# Altium PCB Cubli.PcbDoc (part 3 of 5) (continued)
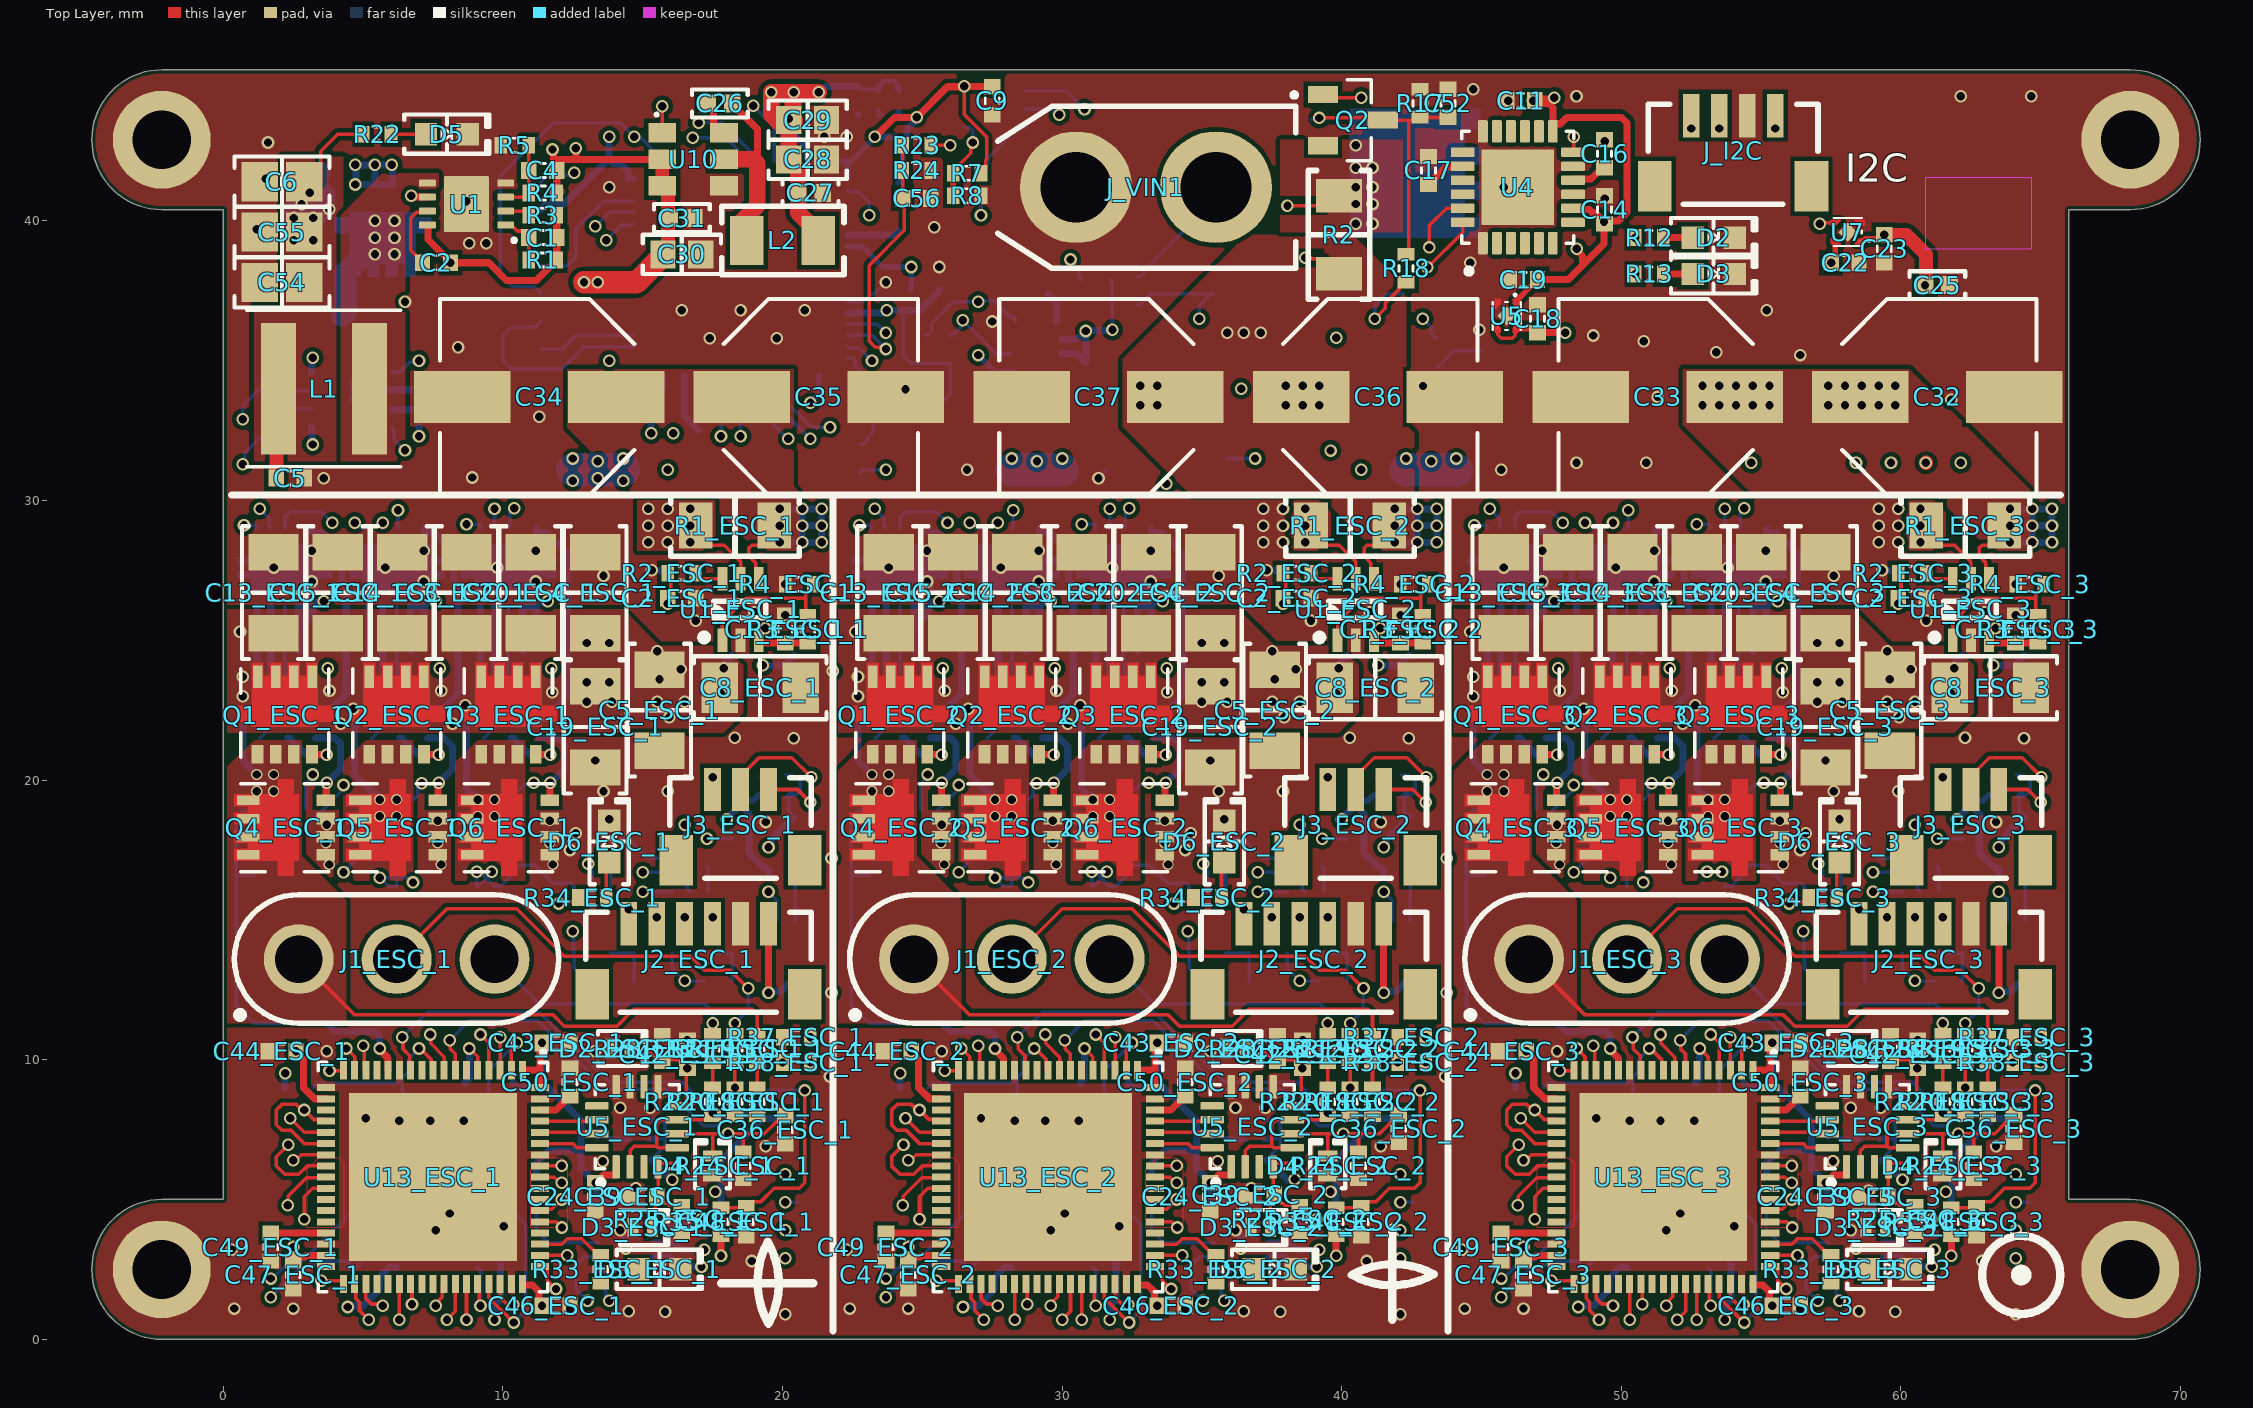
[diagram p0: Top Layer view]
## Nets (pads, with @x,y where several pads share a name; then routed paths per layer and width w, separated by ;. In a path a pad name is that pad's centre, name@x,y a point inside that pad or via, vN(x,y) a via of type N, cw(c..) or ccw(c..) an arc to the next point about the centre after c; other vN are vias at no path point) (continued)
CAN_S_3: U7_ESC_3.8 U13_ESC_3.2 | length 9.8
  Top Layer w0.127: U13_ESC_3.2@54.3,9.625 54.3,10.313 54.5,10.513 v1(54.5,10.6)
  Bottom Layer w0.127: U7_ESC_3.8@50.192,4.512 50.412,4.513 50.509,4.609 50.509,5.413 51.159,6.062 52.462,6.062 53.5,7.1 53.5,9.6 v1(54.5,10.6)
CAN_TX: U9.1 U11.48 | length 11
  Signal 1 w0.127: v1(7,35) 8.5,35 v1(13.3,39.8)
  Bottom Layer w0.127: U9.1@6.045,34.575 6.305,34.575 6.668,34.938 6.938,34.938 v1(7,35) ; v1(13.3,39.8) 13.8,40.3 U11.48@14.675,40.3
CAN_TX_1: U7_ESC_1.1 U13_ESC_1.48 | length 7.3
  Top Layer w0.127: U13_ESC_1.48@9.5,1.975 9.5,1.488 10.388,0.6 v1(10.394,0.6)
  Bottom Layer w0.127: U7_ESC_1.1@9.083,4.513 10.407,4.513 10.816,4.104 10.816,1.015 10.4,0.6 v1(10.394,0.6)
CAN_TX_2: U7_ESC_2.1 U13_ESC_2.48 | length 7.3
  Top Layer w0.127: U13_ESC_2.48@31.5,1.975 31.5,1.488 32.388,0.6 v1(32.394,0.6)
  Bottom Layer w0.127: U7_ESC_2.1@31.082,4.512 32.407,4.513 32.815,4.104 32.815,1.015 32.4,0.6 v1(32.394,0.6)
CAN_TX_3: U7_ESC_3.1 U13_ESC_3.48 | length 7.3
  Top Layer w0.127: U13_ESC_3.48@53.5,1.975 53.5,1.488 54.388,0.6 v1(54.394,0.6)
  Bottom Layer w0.127: U7_ESC_3.1@53.082,4.512 54.407,4.513 54.815,4.104 54.815,1.015 54.4,0.6 v1(54.394,0.6)
COMP_OUT_U_1: U5_ESC_1.15 U13_ESC_1.64 | length 2.1
  Top Layer w0.127: U13_ESC_1.64@11.325,7.4 13.315,7.4 U5_ESC_1.15@13.365,7.35
COMP_OUT_U_2: U5_ESC_2.15 U13_ESC_2.64 | length 2.1
  Top Layer w0.127: U13_ESC_2.64@33.325,7.4 35.315,7.4 U5_ESC_2.15@35.365,7.35
COMP_OUT_U_3: U5_ESC_3.15 U13_ESC_3.64 | length 2.1
  Top Layer w0.127: U13_ESC_3.64@55.325,7.4 57.315,7.4 U5_ESC_3.15@57.365,7.35
COMP_OUT_V_1: U5_ESC_1.16 U13_ESC_1.63 | length 2.1
  Top Layer w0.127: U13_ESC_1.63@11.325,7 12.5,7 12.65,6.85 U5_ESC_1.16@13.365,6.85
COMP_OUT_V_2: U5_ESC_2.16 U13_ESC_2.63 | length 2.1
  Top Layer w0.127: U13_ESC_2.63@33.325,7 34.5,7 34.65,6.85 U5_ESC_2.16@35.365,6.85
COMP_OUT_V_3: U5_ESC_3.16 U13_ESC_3.63 | length 2.1
  Top Layer w0.127: U13_ESC_3.63@55.325,7 56.5,7 56.65,6.85 U5_ESC_3.16@57.365,6.85
COMP_OUT_W_1: U5_ESC_1.14 U13_ESC_1.65 | length 2.1
  Top Layer w0.127: U13_ESC_1.65@11.325,7.8 13.315,7.8 U5_ESC_1.14@13.365,7.85
COMP_OUT_W_2: U5_ESC_2.14 U13_ESC_2.65 | length 2.1
  Top Layer w0.127: U13_ESC_2.65@33.325,7.8 35.315,7.8 U5_ESC_2.14@35.365,7.85
COMP_OUT_W_3: U5_ESC_3.14 U13_ESC_3.65 | length 2.1
  Top Layer w0.127: U13_ESC_3.65@55.325,7.8 57.315,7.8 U5_ESC_3.14@57.365,7.85
ENC.A_1: J2_ESC_1.4 U13_ESC_1.21 U13_ESC_1.23 | length 38.7
  Top Layer w0.127: U13_ESC_1.23@3.675,7 2.9,7 2.415,7.485 2.09,7.485 1.9,7.674 1.9,8.2 2.1,8.4 2.613,8.4 2.813,8.2 v1(2.9,8.2) 3.239,7.862 3.613,7.862 U13_ESC_1.21@3.675,7.8 ; J2_ESC_1.4@16.5,14.863 v1(16.5,15.1)
  Signal 1 w0.127: v1(2.9,8.2) 3.2,8.5 10.8,8.5 15.646,13.346 15.646,13.605 16.5,14.459 v1(16.5,15.1)
  Signal 2 w0.127: v1(2.9,8.2) 3.4,8.7 10.6,8.7 16.5,14.6 v1(16.5,15.1)
ENC.A_2: J2_ESC_2.4 U13_ESC_2.21 U13_ESC_2.23 | length 38.7
  Top Layer w0.127: U13_ESC_2.23@25.675,7 24.9,7 24.415,7.485 24.09,7.485 23.9,7.674 23.9,8.2 24.1,8.4 24.613,8.4 24.813,8.2 v1(24.9,8.2) 25.238,7.862 25.613,7.862 U13_ESC_2.21@25.675,7.8 ; J2_ESC_2.4@38.5,14.863 v1(38.5,15.1)
  Signal 1 w0.127: v1(24.9,8.2) 25.2,8.5 32.8,8.5 37.646,13.346 37.646,13.605 38.5,14.459 v1(38.5,15.1)
  Signal 2 w0.127: v1(24.9,8.2) 25.4,8.7 32.6,8.7 38.5,14.6 v1(38.5,15.1)
ENC.A_3: J2_ESC_3.4 U13_ESC_3.21 U13_ESC_3.23 | length 38.7
  Top Layer w0.127: U13_ESC_3.23@47.675,7 46.9,7 46.415,7.485 46.09,7.485 45.9,7.674 45.9,8.2 46.1,8.4 46.613,8.4 46.813,8.2 v1(46.9,8.2) 47.238,7.862 47.613,7.862 U13_ESC_3.21@47.675,7.8 ; J2_ESC_3.4@60.5,14.863 v1(60.5,15.1)
  Signal 1 w0.127: v1(46.9,8.2) 47.2,8.5 54.8,8.5 59.646,13.346 59.646,13.605 60.5,14.459 v1(60.5,15.1)
  Signal 2 w0.127: v1(46.9,8.2) 47.4,8.7 54.6,8.7 60.5,14.6 v1(60.5,15.1)
ENC.B_1: J2_ESC_1.3 U13_ESC_1.57 | length 14.4
  Top Layer w0.127: U13_ESC_1.57@11.325,4.6 11.37,4.645 11.745,4.645 v1(12.1,5) ; J2_ESC_1.3@17.5,14.863 v1(17.5,15.1)
  Signal 1 w0.127: v1(12.1,5) 11.719,5.381 11.519,5.381 11.2,5.7 11.2,7.4 14.2,10.4 14.2,11.3 17.5,14.6 v1(17.5,15.1)
ENC.B_2: J2_ESC_2.3 U13_ESC_2.57 | length 14.4
  Top Layer w0.127: U13_ESC_2.57@33.325,4.6 33.37,4.645 33.745,4.645 v1(34.1,5) ; J2_ESC_2.3@39.5,14.863 v1(39.5,15.1)
  Signal 1 w0.127: v1(34.1,5) 33.719,5.381 33.519,5.381 33.2,5.7 33.2,7.4 36.2,10.4 36.2,11.3 39.5,14.6 v1(39.5,15.1)
ENC.B_3: J2_ESC_3.3 U13_ESC_3.57 | length 14.4
  Top Layer w0.127: U13_ESC_3.57@55.325,4.6 55.37,4.645 55.745,4.645 v1(56.1,5) ; J2_ESC_3.3@61.5,14.863 v1(61.5,15.1)
  Signal 1 w0.127: v1(56.1,5) 55.719,5.381 55.519,5.381 55.2,5.7 55.2,7.4 58.2,10.4 58.2,11.3 61.5,14.6 v1(61.5,15.1)
ENC.I_1: J2_ESC_1.6 U13_ESC_1.53 | length 25.4
  Top Layer w0.127: U13_ESC_1.53@11.325,3 v1(12.3,3) ; J2_ESC_1.6@14.5,14.863 v1(14.5,15.377)
  Signal 1 w0.127: v1(12.3,3) 12.3,3.077 12.6,3.377 12.6,8.2 20,15.6 20,16.3 19.185,17.115 14.828,17.115 14.5,16.788 v1(14.5,15.377)
ENC.I_2: J2_ESC_2.6 U13_ESC_2.53 | length 25.4
  Top Layer w0.127: U13_ESC_2.53@33.325,3 v1(34.3,3) ; J2_ESC_2.6@36.5,14.863 v1(36.5,15.377)
  Signal 1 w0.127: v1(34.3,3) 34.3,3.077 34.6,3.377 34.6,8.2 42,15.6 42,16.3 41.185,17.115 36.828,17.115 36.5,16.788 v1(36.5,15.377)
ENC.I_3: J2_ESC_3.6 U13_ESC_3.53 | length 25.4
  Top Layer w0.127: U13_ESC_3.53@55.325,3 v1(56.3,3) ; J2_ESC_3.6@58.5,14.863 v1(58.5,15.377)
  Signal 1 w0.127: v1(56.3,3) 56.3,3.077 56.6,3.377 56.6,8.2 64,15.6 64,16.3 63.185,17.115 58.828,17.115 58.5,16.788 v1(58.5,15.377)
ENC_PWR_EN_1: U6_ESC_1.5 U13_ESC_1.3 | length 14.8
  Top Layer w0.127: U13_ESC_1.3@9.9,9.625 v1(9.9,10.8)
  Signal 1 w0.127: v1(9.9,10.8) 10.2,11.1 12,11.1 14.9,14 14.9,15.2 15.7,16 v1(19.5,16)
  Bottom Layer w0.127: v1(19.5,16) 19.8,15.7 U6_ESC_1.5@19.8,14.975
ENC_PWR_EN_2: U6_ESC_2.5 U13_ESC_2.3 | length 14.8
  Top Layer w0.127: U13_ESC_2.3@31.9,9.625 v1(31.9,10.8)
  Signal 1 w0.127: v1(31.9,10.8) 32.2,11.1 34,11.1 36.9,14 36.9,15.2 37.7,16 v1(41.5,16)
  Bottom Layer w0.127: v1(41.5,16) 41.8,15.7 U6_ESC_2.5@41.8,14.975
ENC_PWR_EN_3: U6_ESC_3.5 U13_ESC_3.3 | length 14.8
  Top Layer w0.127: U13_ESC_3.3@53.9,9.625 v1(53.9,10.8)
  Signal 1 w0.127: v1(53.9,10.8) 54.2,11.1 56,11.1 58.9,14 58.9,15.2 59.7,16 v1(63.5,16)
  Bottom Layer w0.127: v1(63.5,16) 63.8,15.7 U6_ESC_3.5@63.8,14.975
GND: C1_ESC_1.2 C1_ESC_2.2 C1_ESC_3.2 C2_ESC_1.2 C2_ESC_2.2 C2_ESC_3.2 C3.1 C3_ESC_1.1 C3_ESC_2.1 C3_ESC_3.1 C4_ESC_1.1 C4_ESC_2.1 C4_ESC_3.1 C5.1 C5_ESC_1.1 C5_ESC_2.1 C5_ESC_3.1 C6.1 C6_ESC_1.1 C6_ESC_2.1 C6_ESC_3.1 C7.1 C7_ESC_1.1 C7_ESC_2.1 C7_ESC_3.1 C8.1 C8_ESC_1.1 C8_ESC_2.1 C8_ESC_3.1 C9.2 C9_ESC_1.1 C9_ESC_2.1 C9_ESC_3.1 C10.2 C10_ESC_1.1 C10_ESC_2.1 C10_ESC_3.1 C11.2 C11_ESC_1.1 C11_ESC_2.1 C11_ESC_3.1 C12.2 C12_ESC_1.1 C12_ESC_2.1 C12_ESC_3.1 C13.2 C13_ESC_1.1 C13_ESC_2.1 C13_ESC_3.1 C14.2 C14_ESC_1.1 C14_ESC_2.1 C14_ESC_3.1 C15.2 C15_ESC_1.1 C15_ESC_2.1 C15_ESC_3.1 C16.2 C16_ESC_1.1 C16_ESC_2.1 C16_ESC_3.1 C17.2 C17_ESC_1.1 C17_ESC_2.1 C17_ESC_3.1 C18.1 C18_ESC_1.1 C18_ESC_2.1 C18_ESC_3.1 C19.1 C19_ESC_1.1 C19_ESC_2.1 C19_ESC_3.1 C20.1 C20_ESC_1.1 C20_ESC_2.1 C20_ESC_3.1 C21.1 C21_ESC_1.1 C21_ESC_2.1 C21_ESC_3.1 C22.1 C22_ESC_1.1 C22_ESC_2.1 C22_ESC_3.1 C23.1 C23_ESC_1.1 C23_ESC_2.1 C23_ESC_3.1 C24.2 C24_ESC_1.1 C24_ESC_2.1 C24_ESC_3.1 C25.2 C25_ESC_1.1 C25_ESC_2.1 C25_ESC_3.1 C26_ESC_1.2 C26_ESC_2.2 C26_ESC_3.2 C27.1 C28.1 C28_ESC_1.2 C28_ESC_2.2 C28_ESC_3.2 C29.1 C29_ESC_1.2 C29_ESC_2.2 C29_ESC_3.2 C30.1 C31.1 C31_ESC_1.2 C31_ESC_2.2 C31_ESC_3.2 C32.2 C32_ESC_1.2 C32_ESC_2.2 C32_ESC_3.2 C33.2 C34.2 C34_ESC_1.2 C34_ESC_2.2 C34_ESC_3.2 C35.2 C35_ESC_1.2 C35_ESC_2.2 C35_ESC_3.2 C36.2 C36_ESC_1.1 C36_ESC_2.1 C36_ESC_3.1 C37.2 C37_ESC_1.2 C37_ESC_2.2 C37_ESC_3.2 C38.1 C38_ESC_1.2 C38_ESC_2.2 C38_ESC_3.2 C39.1 C39_ESC_1.1 C39_ESC_2.1 C39_ESC_3.1 C40.1 C40_ESC_1.2 C40_ESC_2.2 C40_ESC_3.2 C41.1 C41_ESC_1.2 C41_ESC_2.2 C41_ESC_3.2 C42.1 C42_ESC_1.1 C42_ESC_2.1 C42_ESC_3.1 C43.2 C43_ESC_1.1 C43_ESC_2.1 C43_ESC_3.1 C44.1 C44_ESC_1.1 C44_ESC_2.1 C44_ESC_3.1 C45.1 C45_ESC_1.1 C45_ESC_2.1 C45_ESC_3.1 C46.1 C46_ESC_1.1 C46_ESC_2.1 C46_ESC_3.1 C47.1 C47_ESC_1.1 C47_ESC_2.1 C47_ESC_3.1 C48.1 C48_ESC_1.2 C48_ESC_2.2 C48_ESC_3.2 C49.1 C49_ESC_1.1 C49_ESC_2.1 C49_ESC_3.1 C50.1 C50_ESC_1.1 C50_ESC_2.1 C50_ESC_3.1 C51.1 C51_ESC_1.1 C51_ESC_2.1 C51_ESC_3.1 C52.2 C52_ESC_1.1 C52_ESC_2.1 C52_ESC_3.1 C53.2 C53_ESC_1.2 C53_ESC_2.2 C53_ESC_3.2 C54.1 C55.1 C56.2 D1.1 D1_ESC_1.1 D1_ESC_2.1 D1_ESC_3.1 D2.2 D2_ESC_1.1 D2_ESC_2.1 D2_ESC_3.1 D3.2 D3_ESC_1.1 D3_ESC_2.1 D3_ESC_3.1 D4.2 D4_ESC_1.1 D4_ESC_2.1 D4_ESC_3.1 D5.2 D5_ESC_1.2 D5_ESC_2.2 D5_ESC_3.2 D6_ESC_1.2 D6_ESC_2.2 D6_ESC_3.2 J1.3 J2_ESC_1.2 J2_ESC_2.2 J2_ESC_3.2 J4_ESC_1.3 J4_ESC_2.3 J4_ESC_3.3 J_I2C.2 J_VIN1.2 pad.2 Q2.2 Q4.2 Q4_ESC_1.1 Q4_ESC_1.2 Q4_ESC_1.3 Q4_ESC_2.1 Q4_ESC_2.2 Q4_ESC_2.3 Q4_ESC_3.1 Q4_ESC_3.2 Q4_ESC_3.3 Q5_ESC_1.1 Q5_ESC_1.2 Q5_ESC_1.3 Q5_ESC_2.1 Q5_ESC_2.2 Q5_ESC_2.3 Q5_ESC_3.1 Q5_ESC_3.2 Q5_ESC_3.3 Q6_ESC_1.1 Q6_ESC_1.2 Q6_ESC_1.3 Q6_ESC_2.1 Q6_ESC_2.2 Q6_ESC_2.3 Q6_ESC_3.1 Q6_ESC_3.2 Q6_ESC_3.3 R4_ESC_1.2 R4_ESC_2.2 R4_ESC_3.2 R5.2 R6_ESC_1.2 R6_ESC_2.2 R6_ESC_3.2 R8.2 R17.2 R24.2 R24_ESC_1.2 R24_ESC_2.2 R24_ESC_3.2 R25_ESC_1.2 R25_ESC_2.2 R25_ESC_3.2 R28_ESC_1.2 R28_ESC_2.2 R28_ESC_3.2 R31_ESC_1.2 R31_ESC_2.2 R31_ESC_3.2 R32_ESC_1.2 R32_ESC_2.2 R32_ESC_3.2 S1.1 S1.2 U1.4 U1.9 U1_ESC_1.2 U1_ESC_2.2 U1_ESC_3.2 U2.2 U2_ESC_1.2 U2_ESC_1.5 U2_ESC_2.2 U2_ESC_2.5 U2_ESC_3.2 U2_ESC_3.5 U3.2 U3.3 U3.9 U3.12 U3_ESC_1.2 U3_ESC_1.5 U3_ESC_2.2 U3_ESC_2.5 U3_ESC_3.2 U3_ESC_3.5 U4.1 U4.9 U4.11 U4.18 U4.25 U4_ESC_1.4 U4_ESC_1.5 U4_ESC_1.6 U4_ESC_1.7 U4_ESC_1.9 U4_ESC_2.4 U4_ESC_2.5 U4_ESC_2.6 U4_ESC_2.7 U4_ESC_2.9 U4_ESC_3.4 U4_ESC_3.5 U4_ESC_3.6 U4_ESC_3.7 U4_ESC_3.9 U5.2 U5.5 U5_ESC_1.9 U5_ESC_1.11 U5_ESC_1.12 U5_ESC_2.9 U5_ESC_2.11 U5_ESC_2.12 U5_ESC_3.9 U5_ESC_3.11 U5_ESC_3.12 U6.2 U6.5 U6_ESC_1.4 U6_ESC_1.7 U6_ESC_2.4 U6_ESC_2.7 U6_ESC_3.4 U6_ESC_3.7 U7.2 U7.5 U7_ESC_1.2 U7_ESC_1.9 U7_ESC_2.2 U7_ESC_2.9 U7_ESC_3.2 U7_ESC_3.9 U8.1 U8.10 U8.12 U8.21 U8.32 U8.34 U8_ESC_1.9 U8_ESC_1.11 U8_ESC_2.9 U8_ESC_2.11 U8_ESC_3.9 U8_ESC_3.11 U9.2 U9.9 U9_ESC_1.9 U9_ESC_1.11 U9_ESC_2.9 U9_ESC_2.11 U9_ESC_3.9 U9_ESC_3.11 U10.4 U10_ESC_1.9 U10_ESC_1.11 U10_ESC_2.9 U10_ESC_2.11 U10_ESC_3.9 U10_ESC_3.11 U11.12 U11.18 U11.32 U11.50 U11.62 U11.67 U11.69 U11_ESC_1.2 U11_ESC_2.2 U11_ESC_3.2 U12_ESC_1.2 U12_ESC_2.2 U12_ESC_3.2 U13_ESC_1.12 U13_ESC_1.18 U13_ESC_1.32 U13_ESC_1.50 U13_ESC_1.62 U13_ESC_1.67 U13_ESC_1.69 U13_ESC_2.12 U13_ESC_2.18 U13_ESC_2.32 U13_ESC_2.50 U13_ESC_2.62 U13_ESC_2.67 U13_ESC_2.69 U13_ESC_3.12 U13_ESC_3.18 U13_ESC_3.32 U13_ESC_3.50 U13_ESC_3.62 U13_ESC_3.67 U13_ESC_3.69 U14_ESC_1.4 U14_ESC_1.9 U14_ESC_2.4 U14_ESC_2.9 U14_ESC_3.4 U14_ESC_3.9 Y1.2 Y1_ESC_1.2 Y1_ESC_2.2 Y1_ESC_3.2 | length 14
  Top Layer w0.127: C46_ESC_1.1@12.4,1.2 12.4,1.1 12.404,1.096 v1(12.404,1.087) ; C19_ESC_1.1@13.3,20.45 v1(13.3,20.7) ; C46_ESC_2.1@34.4,1.2 34.4,1.1 34.404,1.096 v1(34.404,1.087) ; C19_ESC_2.1@35.3,20.45 v1(35.3,20.7) ; C46_ESC_3.1@56.4,1.2 56.4,1.1 56.404,1.096 v1(56.404,1.087) ; C19_ESC_3.1@57.3,20.45 v1(57.3,20.7) ; C39_ESC_3.1@58.525,5.1 58.738,5.313 v1(58.838,5.313)
  Top Layer w0.254: v1(49.4,40.8) C14.2@49.4,40.84
  Bottom Layer w0.127: U9.9@4.6,33.6 U9.9@4.6,34.3 ; v1(19.4,18.5) C21_ESC_1.1@19.4,18.7 ; U11.12@22.325,37.1 22.875,37.1 23.17,37.395 23.27,37.395 23.675,37.8 v1(23.7,37.8) ; C53.2@24.4,33.9 v1(24.4,33.979) ; v1(31.3,30.8) C50.1@31.6,31.1 ; v1(41.4,18.5) C21_ESC_2.1@41.4,18.7 ; v1(63.4,18.5) C21_ESC_3.1@63.4,18.7
  Bottom Layer w0.254: U9.9@4.6,33.6 4.925,33.925 U9.2@6.045,33.925 6.078,33.958 6.858,33.958 C24.2@7,34.1 ; v1(8.6,7.816) 8.615,7.816 Y1_ESC_1.2@8.635,7.835 ; C12_ESC_1.1@13.53,6.425 13.568,6.387 v1(13.568,6.368) ; v1(13.6,19.6) C18_ESC_1.1@13.6,19.65 ; v1(13.6,27.3) C17_ESC_1.1@13.6,27.35 ; v1(14.2,3.9) 14.392,3.708 v1(14.392,3.247) ; U14_ESC_1.9@14.392,3.508 14.4,3.5 U14_ESC_1.9@14.4,3.2 ; v1(15.323,27.5) 15.75,27.5 C6_ESC_1.1@15.9,27.35 ; v1(15.9,19.6) C16_ESC_1.1@15.9,19.65 ; C7_ESC_1.1@18.2,21.55 18.25,21.55 v1(18.289,21.511) ; v1(20.4,21.5) C10_ESC_1.1@20.4,21.55 ; C40.1@23.626,37.8 v1(23.7,37.8) ; v1(30.6,7.816) 30.615,7.816 Y1_ESC_2.2@30.635,7.835 ; C12_ESC_2.1@35.53,6.425 35.568,6.387 v1(35.568,6.368) ; v1(35.6,19.6) C18_ESC_2.1@35.6,19.65 ; v1(35.6,27.3) C17_ESC_2.1@35.6,27.35 ; v1(36.2,3.9) 36.392,3.708 v1(36.392,3.247) ; U14_ESC_2.9@36.392,3.508 36.4,3.5 U14_ESC_2.9@36.4,3.2 ; v1(37.323,27.5) 37.75,27.5 C6_ESC_2.1@37.9,27.35 ; v1(37.9,19.6) C16_ESC_2.1@37.9,19.65 ; C7_ESC_2.1@40.2,21.55 40.25,21.55 v1(40.289,21.511) ; v1(42.4,21.5) C10_ESC_2.1@42.4,21.55 ; v1(52.6,7.816) 52.615,7.816 Y1_ESC_3.2@52.635,7.835 ; C12_ESC_3.1@57.53,6.425 57.568,6.387 v1(57.568,6.368) ; v1(57.6,19.6) C18_ESC_3.1@57.6,19.65 ; v1(57.6,27.3) C17_ESC_3.1@57.6,27.35 ; v1(58.2,3.9) 58.392,3.708 v1(58.392,3.247) ; U14_ESC_3.9@58.392,3.508 58.4,3.5 U14_ESC_3.9@58.4,3.2 ; v1(59.323,27.5) 59.75,27.5 C6_ESC_3.1@59.9,27.35 ; v1(59.9,19.6) C16_ESC_3.1@59.9,19.65 ; C7_ESC_3.1@62.2,21.55 62.25,21.55 v1(62.289,21.511) ; v1(64.4,21.5) C10_ESC_3.1@64.4,21.55
  other v1: 20.1,0.9 42.1,0.9 64.1,0.9 15.8,0.985 37.8,0.985 59.8,0.985 14.5,1 36.5,1 58.5,1 0.4,1.1 2.5,1.1 22.4,1.1 24.5,1.1 44.4,1.1 46.5,1.1 18.9,2.8 40.9,2.8 62.9,2.8 0.3,3.2 22.3,3.2 44.3,3.2 7.6,3.9 29.6,3.9 51.6,3.9 10.038,4.038 32.037,4.038 54.037,4.038 8.1,4.5 30.1,4.5 52.1,4.5 14.758,5.409 36.758,5.409 19.4,6.9 41.4,6.9 63.4,6.9 6.3,7.816 7.4,7.816 28.3,7.816 29.4,7.816 50.3,7.816 51.4,7.816 5.1,7.9 27.1,7.9 49.1,7.9 14.2,8.284 15.274,8.284 36.2,8.284 37.274,8.284 58.2,8.284 59.274,8.284 21.7,9.4 43.7,9.4 3.7,10.3 13.294,10.306 25.7,10.3 35.294,10.306 47.7,10.3 57.294,10.306 16.6,10.7 38.6,10.7 60.6,10.7 21.752,12.4 43.752,12.4 21.752,17.2 43.752,17.2 12.4,17.5 34.4,17.5 56.4,17.5 12.6,18.1 34.6,18.1 56.6,18.1 13.8,18.6 35.8,18.6 57.8,18.6 21.8,23.9 3.737,24 7.737,24 11.737,24 25.737,24 29.737,24 33.737,24 47.737,24 51.737,24 55.737,24 16.9,25.7 38.9,25.7 60.9,25.7 20.1,25.9 42.1,25.9 64.1,25.9 19,26 41,26 63,26 20.1,27 42.1,27 64.1,27 3.17,27.1 7.17,27.1 11.17,27.1 25.169,27.1 29.169,27.1 33.169,27.1 47.169,27.1 51.169,27.1 55.169,27.1 1.8,27.6 5.8,27.6 9.8,27.6 23.8,27.6 27.8,27.6 31.8,27.6 45.8,27.6 49.8,27.6 53.8,27.6 3.17,28.2 7.17,28.2 11.17,28.2 25.169,28.2 29.169,28.2 33.169,28.2 47.169,28.2 51.169,28.2 55.169,28.2 37.2,28.5 37.9,28.5 59.2,28.5 59.9,28.5 37.2,29.1 37.9,29.1 59.2,29.1 59.9,29.1 37.2,29.7 37.9,29.7 59.2,29.7 59.9,29.7 3.6,30.8 8.9,30.821 15.9,31.1 26.6,31.1 40.7,31.1 45.7,31.1 48.396,31.347 50.895,31.347 62.142,31.347 39.6,31.784 16.1,32.4 11.3,33 61.8,33.6 51.3,33.7 36.4,34 42.906,34.094 56.4,35.2 53.4,35.3 8.397,35.484 50.8,35.7 17.4,35.8 19.8,35.8 39.8,35.816 49,35.9 44.914,36.102 27.5,36.4 16.4,36.8 18.5,36.8 20.8,36.8 55.2,36.8 6.5,37.1 25.6,38.35 44.6,38.5 8.8,39.2 9.4,39.2 1.2,39.7 25.43,39.77 8.7,40.7 13.8,41.2 45.788,41.2 1.525,41.5 1.6,42.8 49.4,42.84 21.5,43 22.3,43 45.96,44.3 48.396,44.453 62.142,44.453 64.657,44.453 44.7,44.7
  other v2: 3.79,16.982 7.79,16.982 11.79,16.982 25.79,16.982 29.79,16.982 33.79,16.982 47.79,16.982 51.79,16.982 55.79,16.982 3.67,17.75 7.67,17.75 11.67,17.75 25.67,17.75 29.67,17.75 33.67,17.75 47.67,17.75 51.67,17.75 55.67,17.75 3.7,18.4 25.7,18.4 47.7,18.4 7.67,18.55 11.67,18.55 29.67,18.55 33.67,18.55 51.67,18.55 55.67,18.55
GU_H_1: Q1_ESC_1.4 R10_ESC_1.2 | length 2.2
  Top Layer w0.254: Q1_ESC_1.4@3.175,20.93 3.19,20.915 3.685,20.915 v1(3.7,20.9)
  Bottom Layer w0.254: R10_ESC_1.2@2.3,21.5 2.375,21.5 2.975,20.9 v1(3.7,20.9)
GU_H_2: Q1_ESC_2.4 R10_ESC_2.2 | length 2.2
  Top Layer w0.254: Q1_ESC_2.4@25.175,20.93 25.19,20.915 25.685,20.915 v1(25.7,20.9)
  Bottom Layer w0.254: R10_ESC_2.2@24.3,21.5 24.375,21.5 24.975,20.9 v1(25.7,20.9)
GU_H_3: Q1_ESC_3.4 R10_ESC_3.2 | length 2.2
  Top Layer w0.254: Q1_ESC_3.4@47.175,20.93 47.19,20.915 47.685,20.915 v1(47.7,20.9)
  Bottom Layer w0.254: R10_ESC_3.2@46.3,21.5 46.375,21.5 46.975,20.9 v1(47.7,20.9)
GU_H_R_1: R10_ESC_1.1 U8_ESC_1.4 | length 4
  Bottom Layer w0.254: U8_ESC_1.4@1.7,26.2 1.7,23.034 1.854,22.88 1.854,22.871 2.225,22.5 R10_ESC_1.1@2.3,22.5
GU_H_R_2: R10_ESC_2.1 U8_ESC_2.4 | length 4
  Bottom Layer w0.254: U8_ESC_2.4@23.7,26.2 23.7,23.034 23.854,22.88 23.854,22.871 24.225,22.5 R10_ESC_2.1@24.3,22.5
GU_H_R_3: R10_ESC_3.1 U8_ESC_3.4 | length 4
  Bottom Layer w0.254: U8_ESC_3.4@45.7,26.2 45.7,23.034 45.854,22.88 45.854,22.871 46.225,22.5 R10_ESC_3.1@46.3,22.5
GU_L_1: Q4_ESC_1.4 R11_ESC_1.2 | length 3.2
  Top Layer w0.254: Q4_ESC_1.4@3.67,19.275 3.685,19.29 3.685,19.885 v1(3.7,19.9)
  Bottom Layer w0.254: R11_ESC_1.2@3.3,21.5 4,21.5 4.2,21.3 4.2,20.4 v1(3.7,19.9)
GU_L_2: Q4_ESC_2.4 R11_ESC_2.2 | length 3.2
  Top Layer w0.254: Q4_ESC_2.4@25.67,19.275 25.685,19.29 25.685,19.885 v1(25.7,19.9)
  Bottom Layer w0.254: R11_ESC_2.2@25.3,21.5 26,21.5 26.2,21.3 26.2,20.4 v1(25.7,19.9)
GU_L_3: Q4_ESC_3.4 R11_ESC_3.2 | length 3.2
  Top Layer w0.254: Q4_ESC_3.4@47.67,19.275 47.685,19.29 47.685,19.885 v1(47.7,19.9)
  Bottom Layer w0.254: R11_ESC_3.2@47.3,21.5 48,21.5 48.2,21.3 48.2,20.4 v1(47.7,19.9)
GU_L_R_1: R11_ESC_1.1 U8_ESC_1.10 | length 8
  Bottom Layer w0.254: U8_ESC_1.10@3.2,29 3.2,28.834 3.207,28.827 3.573,28.827 4.238,28.162 4.238,27.128 4.4,26.966 4.4,23.1 3.828,22.528 3.328,22.528 R11_ESC_1.1@3.3,22.5
GU_L_R_2: R11_ESC_2.1 U8_ESC_2.10 | length 8
  Bottom Layer w0.254: U8_ESC_2.10@25.2,29 25.2,28.834 25.207,28.827 25.573,28.827 26.238,28.162 26.238,27.128 26.4,26.966 26.4,23.1 25.828,22.528 25.328,22.528 R11_ESC_2.1@25.3,22.5
GU_L_R_3: R11_ESC_3.1 U8_ESC_3.10 | length 8
  Bottom Layer w0.254: U8_ESC_3.10@47.2,29 47.2,28.834 47.207,28.827 47.573,28.827 48.238,28.162 48.238,27.128 48.4,26.966 48.4,23.1 47.828,22.528 47.328,22.528 R11_ESC_3.1@47.3,22.5
GV_H_1: Q2_ESC_1.4 R12_ESC_1.2 | length 2.2
  Top Layer w0.254: Q2_ESC_1.4@7.175,20.93 7.19,20.915 7.685,20.915 v1(7.7,20.9)
  Bottom Layer w0.254: R12_ESC_1.2@6.3,21.5 6.375,21.5 6.975,20.9 v1(7.7,20.9)
GV_H_2: Q2_ESC_2.4 R12_ESC_2.2 | length 2.2
  Top Layer w0.254: Q2_ESC_2.4@29.175,20.93 29.19,20.915 29.685,20.915 v1(29.7,20.9)
  Bottom Layer w0.254: R12_ESC_2.2@28.3,21.5 28.375,21.5 28.975,20.9 v1(29.7,20.9)
GV_H_3: Q2_ESC_3.4 R12_ESC_3.2 | length 2.2
  Top Layer w0.254: Q2_ESC_3.4@51.175,20.93 51.19,20.915 51.685,20.915 v1(51.7,20.9)
  Bottom Layer w0.254: R12_ESC_3.2@50.3,21.5 50.375,21.5 50.975,20.9 v1(51.7,20.9)
GV_H_R_1: R12_ESC_1.1 U9_ESC_1.4 | length 4
  Bottom Layer w0.254: U9_ESC_1.4@5.7,26.2 5.7,23.034 5.854,22.88 5.854,22.871 6.225,22.5 R12_ESC_1.1@6.3,22.5
GV_H_R_2: R12_ESC_2.1 U9_ESC_2.4 | length 4
  Bottom Layer w0.254: U9_ESC_2.4@27.7,26.2 27.7,23.034 27.854,22.88 27.854,22.871 28.225,22.5 R12_ESC_2.1@28.3,22.5
GV_H_R_3: R12_ESC_3.1 U9_ESC_3.4 | length 4
  Bottom Layer w0.254: U9_ESC_3.4@49.7,26.2 49.7,23.034 49.854,22.88 49.854,22.871 50.225,22.5 R12_ESC_3.1@50.3,22.5
GV_L_1: Q5_ESC_1.4 R15_ESC_1.2 | length 3.2
  Top Layer w0.254: Q5_ESC_1.4@7.67,19.275 7.685,19.29 7.685,19.885 v1(7.7,19.9)
  Bottom Layer w0.254: R15_ESC_1.2@7.3,21.5 7.9,21.5 8.2,21.2 8.2,20.4 v1(7.7,19.9)
GV_L_2: Q5_ESC_2.4 R15_ESC_2.2 | length 3.2
  Top Layer w0.254: Q5_ESC_2.4@29.67,19.275 29.685,19.29 29.685,19.885 v1(29.7,19.9)
  Bottom Layer w0.254: R15_ESC_2.2@29.3,21.5 29.9,21.5 30.2,21.2 30.2,20.4 v1(29.7,19.9)
GV_L_3: Q5_ESC_3.4 R15_ESC_3.2 | length 3.2
  Top Layer w0.254: Q5_ESC_3.4@51.67,19.275 51.685,19.29 51.685,19.885 v1(51.7,19.9)
  Bottom Layer w0.254: R15_ESC_3.2@51.3,21.5 51.9,21.5 52.2,21.2 52.2,20.4 v1(51.7,19.9)
GV_L_R_1: R15_ESC_1.1 U9_ESC_1.10 | length 8
  Bottom Layer w0.254: U9_ESC_1.10@7.2,29 7.2,28.834 7.207,28.827 7.573,28.827 8.238,28.162 8.238,27.128 8.4,26.966 8.4,23.1 7.828,22.528 7.328,22.528 R15_ESC_1.1@7.3,22.5
GV_L_R_2: R15_ESC_2.1 U9_ESC_2.10 | length 8
  Bottom Layer w0.254: U9_ESC_2.10@29.2,29 29.2,28.834 29.207,28.827 29.573,28.827 30.238,28.162 30.238,27.128 30.4,26.966 30.4,23.1 29.828,22.528 29.328,22.528 R15_ESC_2.1@29.3,22.5
GV_L_R_3: R15_ESC_3.1 U9_ESC_3.10 | length 8
  Bottom Layer w0.254: U9_ESC_3.10@51.2,29 51.2,28.834 51.207,28.827 51.573,28.827 52.238,28.162 52.238,27.128 52.4,26.966 52.4,23.1 51.828,22.528 51.328,22.528 R15_ESC_3.1@51.3,22.5
GW_H_1: Q3_ESC_1.4 R16_ESC_1.2 | length 2.2
  Top Layer w0.254: Q3_ESC_1.4@11.175,20.93 11.19,20.915 11.685,20.915 v1(11.7,20.9)
  Bottom Layer w0.254: R16_ESC_1.2@10.3,21.5 10.375,21.5 10.975,20.9 v1(11.7,20.9)
GW_H_2: Q3_ESC_2.4 R16_ESC_2.2 | length 2.2
  Top Layer w0.254: Q3_ESC_2.4@33.175,20.93 33.19,20.915 33.685,20.915 v1(33.7,20.9)
  Bottom Layer w0.254: R16_ESC_2.2@32.3,21.5 32.375,21.5 32.975,20.9 v1(33.7,20.9)
GW_H_3: Q3_ESC_3.4 R16_ESC_3.2 | length 2.2
  Top Layer w0.254: Q3_ESC_3.4@55.175,20.93 55.19,20.915 55.685,20.915 v1(55.7,20.9)
  Bottom Layer w0.254: R16_ESC_3.2@54.3,21.5 54.375,21.5 54.975,20.9 v1(55.7,20.9)
GW_H_R_1: R16_ESC_1.1 U10_ESC_1.4 | length 4
  Bottom Layer w0.254: U10_ESC_1.4@9.7,26.2 9.7,23.034 9.854,22.88 9.854,22.871 10.225,22.5 R16_ESC_1.1@10.3,22.5
GW_H_R_2: R16_ESC_2.1 U10_ESC_2.4 | length 4
  Bottom Layer w0.254: U10_ESC_2.4@31.7,26.2 31.7,23.034 31.854,22.88 31.854,22.871 32.225,22.5 R16_ESC_2.1@32.3,22.5
GW_H_R_3: R16_ESC_3.1 U10_ESC_3.4 | length 4
  Bottom Layer w0.254: U10_ESC_3.4@53.7,26.2 53.7,23.034 53.854,22.88 53.854,22.871 54.225,22.5 R16_ESC_3.1@54.3,22.5
GW_L_1: Q6_ESC_1.4 R17_ESC_1.2 | length 3.2
  Top Layer w0.254: Q6_ESC_1.4@11.67,19.275 11.685,19.29 11.685,19.885 v1(11.7,19.9)
  Bottom Layer w0.254: R17_ESC_1.2@11.3,21.5 12,21.5 12.2,21.3 12.2,20.4 v1(11.7,19.9)
GW_L_2: Q6_ESC_2.4 R17_ESC_2.2 | length 3.2
  Top Layer w0.254: Q6_ESC_2.4@33.67,19.275 33.685,19.29 33.685,19.885 v1(33.7,19.9)
  Bottom Layer w0.254: R17_ESC_2.2@33.3,21.5 34,21.5 34.2,21.3 34.2,20.4 v1(33.7,19.9)
GW_L_3: Q6_ESC_3.4 R17_ESC_3.2 | length 3.2
  Top Layer w0.254: Q6_ESC_3.4@55.67,19.275 55.685,19.29 55.685,19.885 v1(55.7,19.9)
  Bottom Layer w0.254: R17_ESC_3.2@55.3,21.5 56,21.5 56.2,21.3 56.2,20.4 v1(55.7,19.9)
GW_L_R_1: R17_ESC_1.1 U10_ESC_1.10 | length 7.9
  Bottom Layer w0.254: U10_ESC_1.10@11.2,29 11.2,28.834 11.207,28.827 11.573,28.827 12.3,28.1 12.3,23 11.828,22.528 11.328,22.528 R17_ESC_1.1@11.3,22.5
GW_L_R_2: R17_ESC_2.1 U10_ESC_2.10 | length 7.9
  Bottom Layer w0.254: U10_ESC_2.10@33.2,29 33.2,28.834 33.207,28.827 33.573,28.827 34.3,28.1 34.3,23 33.828,22.528 33.328,22.528 R17_ESC_2.1@33.3,22.5
GW_L_R_3: R17_ESC_3.1 U10_ESC_3.10 | length 7.9
  Bottom Layer w0.254: U10_ESC_3.10@55.2,29 55.2,28.834 55.207,28.827 55.573,28.827 56.3,28.1 56.3,23 55.828,22.528 55.328,22.528 R17_ESC_3.1@55.3,22.5
HB_U_1: C27_ESC_1.2 U8_ESC_1.3 | length 6.3
  Bottom Layer w0.127: C27_ESC_1.2@1.3,21.5 1.325,21.5 1.536,21.712 1.536,21.737 1.8,22 2.594,22 2.79,22.196 2.79,22.926 2.716,23 2.297,23 2.2,23.097 U8_ESC_1.3@2.2,26.2
HB_U_2: C27_ESC_2.2 U8_ESC_2.3 | length 6.3
  Bottom Layer w0.127: C27_ESC_2.2@23.3,21.5 23.325,21.5 23.536,21.712 23.536,21.737 23.8,22 24.594,22 24.79,22.196 24.79,22.926 24.716,23 24.297,23 24.2,23.097 U8_ESC_2.3@24.2,26.2
HB_U_3: C27_ESC_3.2 U8_ESC_3.3 | length 6.3
  Bottom Layer w0.127: C27_ESC_3.2@45.3,21.5 45.325,21.5 45.536,21.712 45.536,21.737 45.8,22 46.594,22 46.79,22.196 46.79,22.926 46.716,23 46.297,23 46.2,23.097 U8_ESC_3.3@46.2,26.2
HB_V_1: C30_ESC_1.2 U9_ESC_1.3 | length 6.3
  Bottom Layer w0.127: C30_ESC_1.2@5.3,21.5 5.325,21.5 5.536,21.712 5.536,21.737 5.8,22 6.594,22 6.79,22.196 6.79,22.926 6.716,23 6.297,23 6.2,23.097 U9_ESC_1.3@6.2,26.2